# KiCad board delta48m.kicad_pcb (continued)
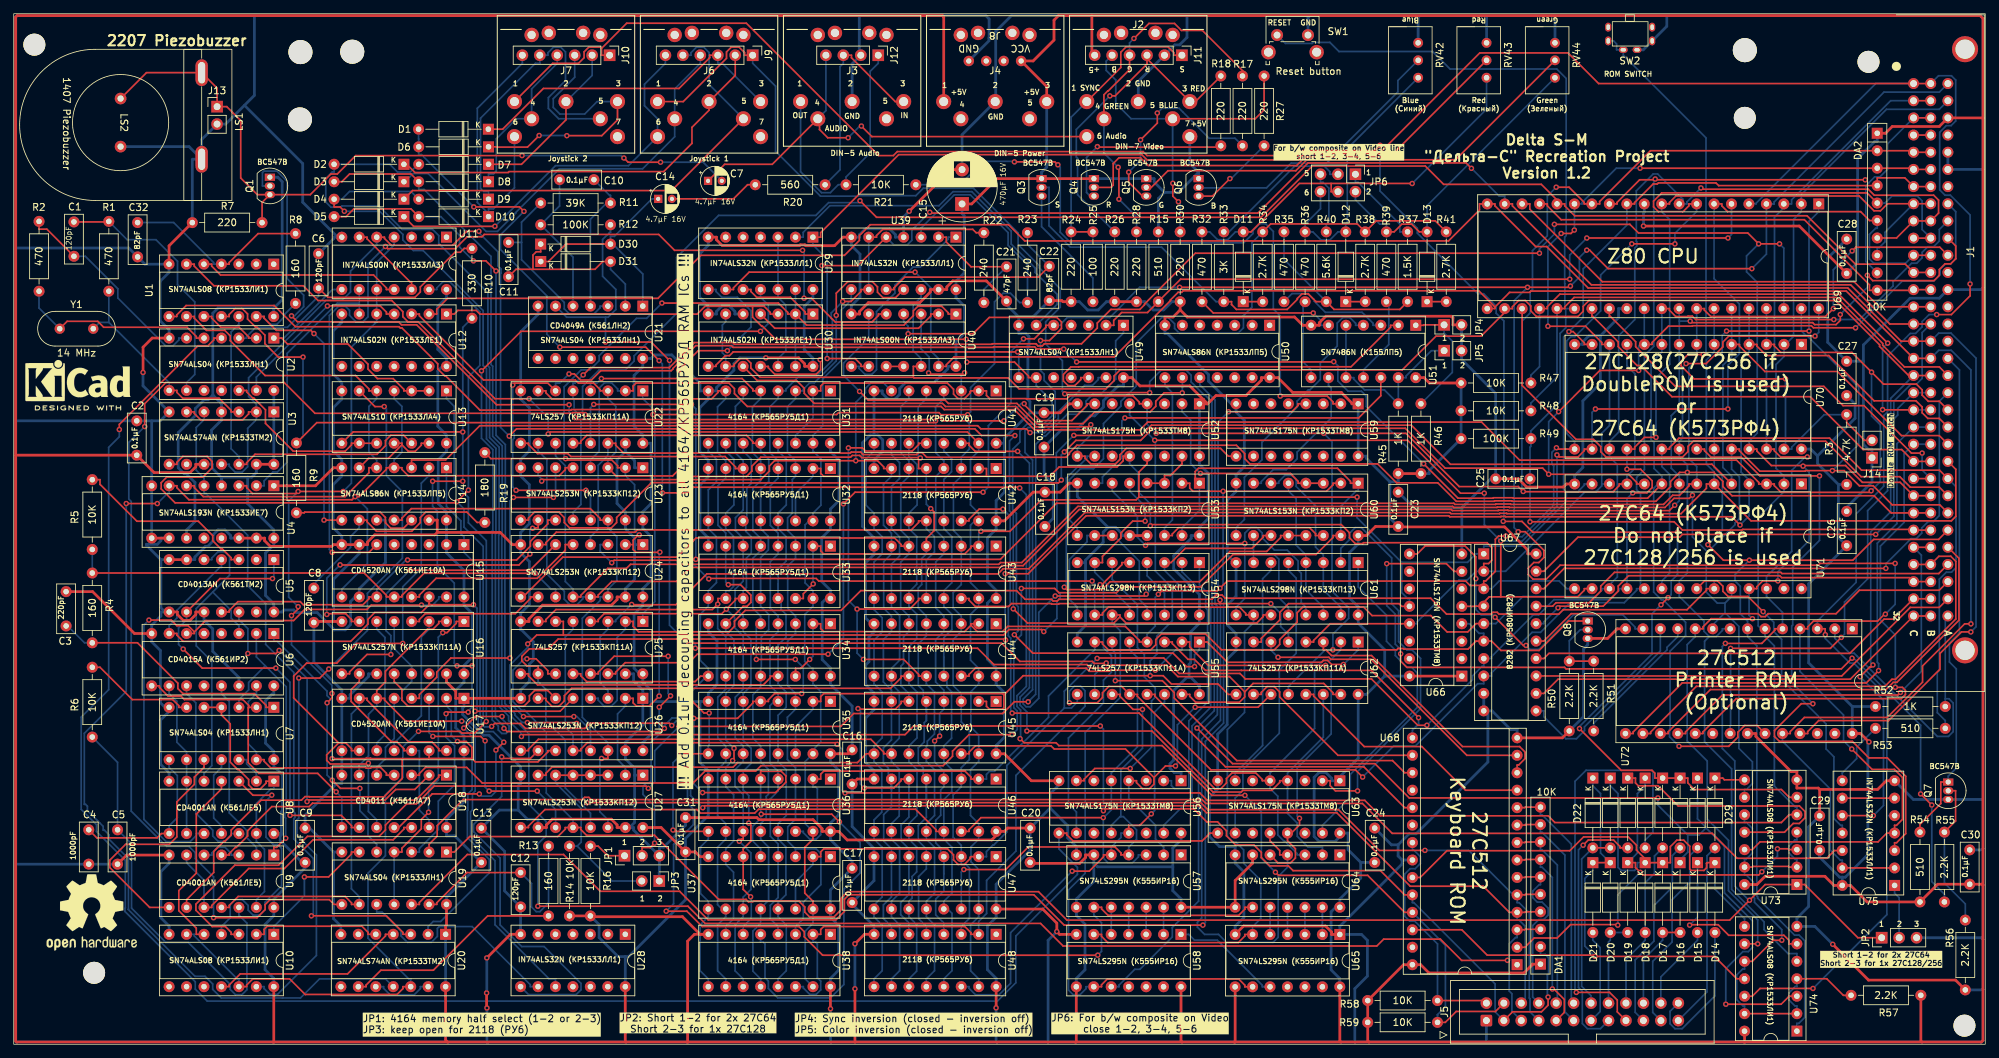
[diagram p0: board, top side]
## Routing (per net, layer and track width the routed paths; a pad name or vN(x,y) marks a point on that pad's centre or on a via; arc(x,y) is an arc through that point) (continued)
  Top w0.25: v1(224.8,63.53) 225.04,63.77 231.38,63.77 233.57,65.95 233.57,66.69 235.07,68.2 257.09,68.2 257.38,67.91 275.99,67.91 J1.30 J1.30
  Bottom w0.25: U67.16 222.74,61.23 222.74,61.47 v1(224.8,63.53)
B31_SNP: length 61
  Top w0.25: J1.31 J1.31 273.6,61.88 272.27,61.88 267.28,56.9 223.49,56.9 222.74,56.15 U67.14
B32_SNP: length 62.1
  Top w0.25: J1.32 J1.32 267.36,53.14 224.82,53.14 222.74,51.07 U67.12
BA0: length 210.8
  Top w0.25: v1(16.38,78.71) v1(20.9,78.71) ; U4.7 23.75,81.29 23.75,81.01 25.5,79.26 49.25,79.26 v1(49.7,79.71) 50.27,79.71 54.25,83.68 54.25,83.92 U14.4 56.5,83.92 56.5,83.68 57.43,82.75 79.41,82.75 80.29,83.63 80.29,83.92 U23.5
  Bottom w0.25: U14.4 55.37,85.04 56.51,86.18 56.51,92.84 55.38,93.98 U13.4 ; v1(20.9,78.71) 22.36,80.16 22.62,80.16 U4.7 ; U20.11 54.11,9.52 44.52,9.52 41.74,6.74 39.14,6.74 39.14,6.74 30.22,6.74 28.97,7.99 28.97,8.77 27.85,9.89 26.4,9.89 16.66,19.62 16.7,19.66 16.7,27.18 16.44,27.44 16.25,27.44 16.25,27.47 13.89,29.83 13.89,30.47 13.2,31.16 13.02,31.16 13.02,31.72 12.5,32.24 12.5,32.24 12.19,32.54 12.19,32.54 10.68,34.05 10.72,34.09 10.72,34.65 10.46,34.92 10.27,34.92 10.27,45.25 16.38,51.36 v1(16.38,78.71) ; U15.9 47.76,66.24 51.48,69.95 51.48,77.93 v1(49.7,79.71)
BA1: length 56.2
  Top w0.25: U15.11 51.72,65.11 51.72,64.85 50.84,63.98 42.15,63.98 41.71,64.43 32.64,64.43 31.37,63.15 31.37,62.92 U5.11 ; v1(57.33,70.49) 73.2,70.49 75.21,72.5 75.21,73.21 77.75,75.75 77.75,76.3 U23.11
  Bottom w0.25: v1(57.33,70.49) 57.1,70.49 52.84,66.24 U15.11
BA2: length 76.1
  Top w0.25: R4.1 51,68.59 54.26,65.34 54.26,65.11 U15.12 56.51,65.11 56.51,65.34 59.72,68.55 75.91,68.55 v1(75.91,68.55)
  Bottom w0.25: R4.1 R5.1 ; U24.11 78.88,66.24 78.23,66.24 v1(75.91,68.55)
BA3: length 27.3
  Top w0.25: U24.5 80.29,72.73 80.29,71.9 76.21,67.83 61.49,67.83 59.05,65.39 59.05,65.11 U15.13
BA4: length 93.6
  Top w0.25: v1(66.93,63.98) 60.64,63.98 60.46,64.15 ; U26.5 79.54,48.48 v1(67.16,48.48) ; 60.46,64.15 U15.14 ; 60.46,64.15 60.46,63.98 59.32,62.84 52.54,62.84 51.57,61.87 51.57,61.17 49.06,58.65 24.65,58.65 23.75,59.56 23.75,59.79 U6.7
  Bottom w0.25: U6.7 22.62,60.92 23.75,62.04 23.75,63.15 30.01,69.41 30.24,69.41 U5.4 ; v1(67.16,48.48) 67.43,48.76 67.43,63.47 v1(66.93,63.98)
BA5: length 112.7
  Top w0.25: 56.55,41.57 52,41.57 51.93,41.64 51.33,41.64 51.26,41.57 v1(46.34,41.57) ; 56.55,41.57 60.43,41.57 60.46,41.61 ; 56.55,41.57 56.55,38.67 53.88,36.01 43.04,36.01 43,36.05 42.4,36.05 41.88,35.53 36.01,35.53 31.65,31.17 31.65,30.47 30.73,29.54 30.6,29.54 29.11,28.06 29.11,25 25.16,21.05 U9.9 ; U26.11 77.75,42.73 77.75,42.54 76.3,41.1 67.2,41.1 66.7,41.61 ; U17.14 60.46,41.61 ; 60.46,41.61 66.7,41.61 ; 66.7,41.61 66.7,43.24 65.86,44.08 v1(64.59,44.08)
  Bottom w0.25: U17.2 63,49.23 63.69,48.54 63.69,44.97 v1(64.59,44.08) ; v1(46.34,41.57) 46.34,50.02 45.6,50.76 45.6,51.4 38.34,58.66 37.86,58.66 U6.1
BA6: length 34.6
  Top w0.25: v1(69.21,36.85) v1(76.2,36.85) ; v1(68.62,44.17) 67.98,44.81 v1(61.01,44.81)
  Bottom w0.25: U17.3 60.46,45.36 v1(61.01,44.81) ; v1(69.21,36.85) 68.62,37.44 v1(68.62,44.17) ; v1(76.2,36.85) 78.88,34.17 U27.11
BA7: length 51.3
  Top w0.25: v1(72.23,56.22) 63.63,56.22 61.59,54.17 61.59,53.44 59.05,50.9 59.05,50.35 U17.4 ; v1(72.75,79.59) v1(78.57,79.59)
  Bottom w0.25: v1(72.75,79.59) 72.23,79.08 v1(72.23,56.22) ; U23.6 78.88,79.9 v1(78.57,79.59)
BA8: length 47.6
  Top w0.25: U16.7 49.18,61.54 49.18,61.82 48.33,62.67 45.68,62.67 v1(45.58,62.56) ; v1(75.14,71.36) 73.54,69.76 47.53,69.76 v1(47.51,69.78) ; U23.10 76.34,75.17 75.59,75.17 v1(75.53,75.11)
  Bottom w0.25: v1(45.58,62.56) 45.58,67.85 v1(47.51,69.78) ; v1(75.14,71.36) 75.14,74.72 v1(75.53,75.11)
BA9: length 20.2
  Top w0.25: U16.4 59.05,61.54 59.05,61.82 59.89,62.67 73,62.67 75.21,64.87 75.21,65.11 U24.10
BA10: length 45.2
  Top w0.25: v1(57.66,69.01) 75.15,69.01 U24.6 ; U16.9 48.89,53.92 48.89,54.2 51.42,56.73 v1(54.9,56.73)
  Bottom w0.25: v1(54.9,56.73) 54.9,59.48 54.2,60.18 54.2,65.55 v1(57.66,69.01)
BA11: length 28.9
  Top w0.25: U16.12 55.38,52.79 56.51,51.67 56.51,50.09 57.4,49.21 74.28,49.21 75.07,50 75.07,50.73 75.82,51.49 77.74,51.49 U26.6
BA12: length 59.4
  Top w0.25: v1(71.03,41.83) 71.25,41.61 75.21,41.61 U26.10
  Bottom w0.25: v1(71.03,41.83) 71.03,36.08 66.95,31.99 66.95,30.95 70.81,27.09 70.81,17.37 73.95,14.22 77.21,14.22 82.57,8.86 82.57,7.93 81.88,7.23 74.94,7.23 U28.8
BCASL: length 214.8
  Top w0.25: U1.6 26.27,113.55 26.27,113.27 29.14,110.4 42.15,110.4 44.3,108.25 55.03,108.25 56.65,106.64 56.65,105.9 57.38,105.16 58.85,105.16 70.05,93.96 v1(75.03,93.96) ; v1(77.8,88.83) 78.09,89.12 138.83,89.12 U41.15
  Bottom w0.25: v1(77.8,88.83) 77.8,91.18 v1(75.03,93.96) ; U41.15 140.47,86.36 139.28,85.17 139.28,78.5 140.47,77.31 140.47,76.75 ; U48.15 140.47,9.51 139.29,10.69 139.29,17.38 140.47,18.56 U47.15 140.47,25.44 139.35,26.57 139.35,28.73 140.47,29.86 U46.15 140.47,32.11 139.28,33.3 139.28,39.97 140.47,41.16 U45.15 140.47,45.02 139.33,46.16 139.33,51.32 140.47,52.46 U44.15 140.47,54.71 139.28,55.9 139.28,62.57 140.47,63.76 U43.15 140.47,66.01 139.28,67.2 139.28,75.56 140.47,76.75 ; U42.15 140.47,76.75
BD0: length 122.5
  Top w0.25: U63.4 184.3,38.36 184.3,38.12 183.13,36.96 178.93,36.96 178.68,36.71 174.58,36.71 165.7,45.59 v1(147.49,45.59) ; U41.14 139.06,87.48 139.06,87.2 139.96,86.3 v1(146.14,86.3)
  Bottom w0.25: v1(146.14,86.3) 147.86,84.58 147.86,51.91 146.49,50.54 146.49,49.36 147.49,48.37 v1(147.49,45.59) ; U62.14 190.64,44.7 185.43,39.48 U63.4 185.43,33.61 186.84,32.19 186.84,30.27 188.42,28.69 190.51,28.69 190.51,27.56
BD1: length 120
  Top w0.25: U63.5 181.76,38.36 181.76,38.54 180.81,39.48 177.34,39.48 176.53,38.68 176.53,38.03 175.69,37.19 174.84,37.19 163.82,48.2 v1(145.35,48.2) ; v1(144,77.89) 140.53,77.89 139.06,76.42 139.06,76.18 U42.14
  Bottom w0.25: v1(144,77.89) 145.05,76.83 145.05,63.95 144.78,63.67 144.78,59.47 145.14,59.11 145.14,48.41 v1(145.35,48.2) ; U64.3 186.84,27.56 186.84,27.74 184.97,29.61 184.87,29.61 184.01,30.47 184.01,36.1 182.89,37.23 U63.5 182.89,39.48 189.37,45.97 189.37,54.59 190.66,55.88 191.63,55.88 193.18,57.42 U62.2
BD2: length 132.5
  Top w0.25: U63.12 182.89,29.61 184.3,28.2 184.3,27.56 U64.4 ; 175.6,64.14 v1(175.6,64.66) ; 175.6,64.14 v1(183,64.14) ; 175.6,64.14 152.16,64.14 152.09,64.07 151.12,64.07 151.05,64.14 145.24,64.14 144.83,63.73 139.98,63.73 139.06,64.65 139.06,64.88 U43.14
  Bottom w0.25: U62.5 185.56,59.68 184.43,60.8 184.43,62.71 v1(183,64.14) ; v1(175.6,64.66) 175.67,64.59 175.67,47.15 172.93,44.42 172.93,18.37 172.3,17.75 172.3,17.05 173.36,15.99 175.38,15.99 176.53,14.84 183.33,14.84 184.07,15.57 184.07,24.42 185.43,25.77 U64.4
BD3: length 94.9
  Top w0.25: 185.43,30.17 185.43,29.61 186.57,28.46 186.57,27.11 185.88,26.41 184.03,26.41 U64.5 ; 185.43,30.17 187.17,31.92 v1(187.17,32.89) ; 185.43,30.17 U63.13 ; U44.14 139.06,53.58 139.06,53.82 139.98,54.74 156.11,54.74 156.56,54.3 159.51,54.3 159.66,54.45 v1(166.18,54.45) ; U55.2 171.19,58.55 171.19,57.85 173.89,55.15 v1(190.96,55.15)
  Bottom w0.25: v1(166.18,54.45) 169.16,57.42 170.06,57.42 U55.2 ; v1(187.17,32.89) 186.83,33.23 186.83,40.22 191.78,45.17 191.78,54.32 v1(190.96,55.15)
BD4: length 74.4
  Top w0.25: U56.4 163.44,38.36 163.44,38.08 164.32,37.2 165.32,37.2 165.98,37.86 165.98,38.82 ; U45.14 139.06,42.28 139.06,42.52 139.97,43.43 151.01,43.43 151.46,42.98 161.83,42.98 165.98,38.82 ; v1(169.12,40.5) 167.66,40.5 165.98,38.82 ; 183.02,50.93 181.15,49.07 v1(171.98,49.07)
  Bottom w0.25: U57.2 167.39,28.69 166.21,29.87 166.21,31.9 162.32,35.79 U56.4 ; v1(169.12,40.5) 169.39,40.77 169.39,46.48 v1(171.98,49.07)
BD5: length 62.8
  Top w0.25: U46.14 139.06,30.98 139.06,31.24 140.8,32.98 v1(158.61,32.98)
  Bottom w0.25: U55.5 162.44,57.42 163.58,56.28 163.58,43.29 159.78,39.48 U56.5 159.78,34.11 158.65,32.98 v1(158.61,32.98) 158.61,27.1 159.32,26.39 162.83,26.39 163.72,27.28 163.72,27.56 U57.3
BD6: length 64.6
  Top w0.25: U57.4 161.18,27.56 161.18,27.84 160.31,28.72 147.69,28.72 144.4,25.44 v1(138.31,25.44) ; U55.11 161.03,50.93 161.03,50.65 162.93,48.75 v1(164.32,48.75)
  Bottom w0.25: U57.4 162.31,28.69 163.44,29.82 163.44,31.22 161.53,33.13 161.17,33.13 ; 161.17,33.13 161.17,39.93 164.32,43.08 v1(164.32,48.75) ; 161.17,33.13 161.05,33.13 159.78,31.86 U56.12 ; U47.14 137.93,25.06 v1(138.31,25.44)
BD7: length 63.6
  Top w0.25: v1(154.08,25.2) 156.57,25.2 158.64,27.28 158.64,27.56 U57.5 ; U56.13 162.32,31.86 163.93,31.86 v1(165.6,33.53)
  Bottom w0.25: U56.13 161.19,30.74 161.19,30.11 159.77,28.69 U57.5 ; v1(165.6,33.53) 166.08,34.02 166.08,48.36 167.52,49.8 U55.14 ; v1(154.08,25.2) 145.12,16.24 145.12,8.88 143.44,7.2 140.01,7.2 139.06,8.15 139.06,8.39 U48.14
BLUE: length 52.3
  Top w0.25: 178.91,140.91 178.91,141.69 173.03,147.57 169.99,147.57 168.97,148.59 165.26,148.59 v1(163.07,146.4) ; J11.4 162.43,141.88 159.32,138.77 159.26,138.77 158.7,138.21 J2.4 ; v1(160.89,123.01) 160.89,127.54 v1(160.77,127.66)
  Bottom w0.25: J2.4 158.7,129.72 v1(160.77,127.66) ; J11.4 162.43,145.76 v1(163.07,146.4) ; R28.1 163.45,120.44 v1(160.89,123.01)
BMX: length 83.9
  Top w0.25: U23.14 85.37,76.3 85.37,76.53 83.94,77.96 57.88,77.96 56.5,76.58 56.5,76.3 U14.11 ; U26.14 86.5,41.61 v1(85.57,41.61)
  Bottom w0.25: v1(85.57,41.61) 85.33,41.37 85.33,33.84 86.5,32.67 U27.14 ; U26.14 86.5,43.86 82.77,47.59 82.77,62 85.37,64.6 85.37,65.11 U24.14 86.5,66.24 87.79,67.53 87.79,73.88 86.5,75.17 U23.14
BRASL: length 212.5
  Top w0.25: v1(134.05,44.15) 134.77,44.86 v1(134.78,44.86) ; R9.1 44.11,90.48 133.93,90.48 v1(134.2,90.75) ; 30.23,105.93 31.35,105.93 31.35,106.21 32.22,107.08 33.26,107.08 34.04,106.3 34.04,105.56 35.23,104.37 35.41,104.37 36.56,103.22 36.56,101.97 38.51,100.03 v1(42.11,100.03)
  Bottom w0.25: v1(134.05,44.15) 134.05,41.09 135.39,39.75 U46.4 135.39,37.48 134.94,37.03 134.94,33.33 134.21,32.61 134.21,29.31 134.94,28.58 134.94,27.44 135.39,26.99 135.39,24.81 ; 135.39,24.81 U47.4 ; 135.39,24.81 135.39,22.31 134.21,21.13 134.21,18.84 135.39,17.66 U48.4 ; U41.4 135.39,93.98 134.2,92.79 v1(134.2,90.75) 134.2,86.12 135.39,84.93 U42.4 134.22,82.63 134.22,74.82 135.39,73.65 U43.4 135.39,71.38 134.21,70.2 134.21,63.51 135.39,62.33 U44.4 135.39,60.08 134.2,58.89 134.2,52.74 135.39,51.55 U45.4 135.39,48.78 134.78,48.17 v1(134.78,44.86) ; R9.1 42.11,88.48 v1(42.11,100.03)
BUSY: length 43.7
  Bottom w0.25: R52.2 281.18,50.29 ; 281.18,50.29 281.18,61.96 J1.64 ; 281.18,50.29 281.71,50.29 282.33,49.67 282.33,45.5 281.64,44.81 280.02,44.81 268.34,56.5 268.34,56.5 267.91,56.92 267.27,56.92 265.1,59.09 U72.2
BWEL: length 103.7
  Top w0.25: v1(138.42,97.75) 138.21,97.54 133.35,97.54 v1(133.18,97.72)
  Bottom w0.25: v1(138.42,97.75) 137.93,97.27 U41.3 137.93,91.54 139.11,90.36 139.11,86.64 137.93,85.46 U42.3 137.93,82.68 136.8,81.54 136.8,74.78 137.93,73.65 U43.3 137.93,66.91 136.75,65.73 136.75,63.51 137.93,62.33 U44.3 137.93,60.08 136.74,58.89 136.74,52.22 137.93,51.03 U45.3 137.93,46.92 139.11,45.74 139.11,41.44 137.93,40.26 U46.3 137.93,37.48 136.75,36.29 136.75,30.14 137.93,28.96 U47.3 137.93,26.18 138.6,26.18 139.12,25.65 139.12,18.32 137.93,17.13 U48.3 ; U40.3 132.09,101.21 133.27,100.02 133.27,97.8 v1(133.18,97.72)
CASL: length 111.2
  Top w0.25: U36.15 116.35,29.86 115.16,28.67 115.16,22 116.35,20.81 U37.15
  Bottom w0.25: U36.15 115.22,32.11 115.22,41.16 U35.15 116.35,42.85 117.48,43.98 117.48,51.33 116.35,52.46 U34.15 116.35,54.71 116.15,54.71 115.15,55.72 115.15,62.56 116.35,63.76 U33.15 116.35,66.01 115.19,67.16 115.19,75.59 116.35,76.75 ; U37.15 116.35,17.6 115.22,16.47 115.22,9.51 U38.15 ; 116.35,76.75 116.35,77.31 117.5,78.47 117.5,85.2 116.35,86.36 U31.15 116.35,88.61 117.75,90.02 117.75,96.84 120.46,99.55 120.46,106.86 121.93,108.32 U39.8 ; 116.35,76.75 U32.15
CCML: length 80.5
  Top w0.25: 47.29,43.86 40.76,50.4 40.76,53.59 42.64,55.47 47.02,55.47 49.89,58.34 v1(56.63,58.34) ; 47.29,43.86 45.56,42.12 45.56,41.33 46.09,40.8 51.51,40.8 v1(51.63,40.91) ; 47.29,43.86 48.33,43.86 49.18,43.02 49.18,42.73 U17.10
  Bottom w0.25: 52.84,31.55 52.84,32.67 51.63,33.88 v1(51.63,40.91) ; v1(56.63,58.34) 56.63,66.59 59.33,69.29 59.33,81.66 60.45,82.79 U14.2
CHTRGL: length 173.9
  Top w0.25: v1(96.82,98.13) 99.64,100.95 v1(103.88,100.95) ; 179.2,51.3 176.98,53.52 169.47,53.52 167.81,55.18 159.75,55.18 159.33,54.76 156.73,54.76 156.22,55.27 142.68,55.27 140.31,57.65 v1(99.22,57.65) ; 179.2,51.3 179.2,50.56 178.43,49.79 172.04,49.79 171.19,50.65 171.19,50.93 U55.15 ; 179.2,51.3 180.42,52.52 190.7,52.52 192.05,51.16 192.05,50.93 U62.15
  Bottom w0.25: U29.8 102.22,109.86 102.22,109.58 103.07,108.73 105.34,108.73 107.32,106.75 107.32,104.39 v1(103.88,100.95) ; v1(99.22,57.65) 99.22,58.29 96.59,60.92 96.59,97.9 v1(96.82,98.13)
Contact1: length 313.1
  Top w0.25: J9.1 106.39,143.96 106.39,144.33 105.58,145.15 104.46,145.15 103.76,144.44 103.76,143.51 97.46,137.21 J6.1 ; 259.58,6.99 258.45,6.99 257.29,5.83 v1(249.23,5.83) ; v1(152.99,94.67) 153.16,94.84 v1(165.36,94.84) ; v1(239.35,35.85) 203.14,35.85 198.16,40.84 177.43,40.84 v1(172.24,46.02)
  Bottom w0.25: 246.35,31.48 245.33,30.46 243.7,30.46 ; 246.35,31.48 249.03,28.8 249.03,22.04 253.11,17.96 253.11,14.1 252.5,13.48 251.71,13.48 249.23,11 v1(249.23,5.83) ; 246.35,31.48 246.35,31.57 245.11,32.81 D28.1 ; 243.7,30.46 243.7,27.97 242.57,26.84 D19.1 ; 243.7,30.46 239.35,34.81 v1(239.35,35.85) ; v1(152.99,94.67) 152.65,95.01 152.65,99.5 150.22,101.94 150.22,105.15 152.34,107.27 152.34,109.98 149.3,113.01 149.3,113.31 146.21,116.4 146.21,118.1 139.71,124.6 132.41,124.6 131.31,123.51 122.89,123.51 122.83,123.45 117.44,123.45 110.9,129.98 110.9,139.45 107.57,142.78 J9.1 ; v1(172.24,46.02) 174.76,48.54 174.76,63.56 174.42,63.9 174.42,65.7 174.42,65.7 174.42,93.51 173.46,94.46 173.34,94.46 171.39,96.41 171.39,97.39 170.62,98.16 167.07,98.16 165.36,96.45 v1(165.36,94.84)
Contact2: length 302.5
  Top w0.25: v1(216.83,76.11) 219.56,76.11 221.13,74.53 v1(242.2,74.53) ; 85.56,144.95 85.56,143.96 J10.1 ; 85.56,144.95 89.23,148.62 106.64,148.62 125.91,129.36 128.05,129.36 128.62,129.93 164.41,129.93 164.98,129.36 186.94,129.36 187.67,130.09 198.12,130.09 v1(198.89,130.86) ; 85.56,144.95 85.37,145.15 83.72,145.15 83.02,144.45 83.02,143.59 82.22,142.78 78.46,142.78 J7.1 ; v1(239.79,63.97) v1(240.83,65.01) ; v1(227.93,45.95) 234,39.87 238.48,39.87 238.9,39.45 238.9,38.75 D26.1 D27.1 243.7,38.75 243.7,38.04 244.66,37.08 257.32,37.08 258.45,35.95 U73.6
  Bottom w0.25: v1(240.83,65.01) 241.27,65.45 241.27,67.44 242.2,68.36 v1(242.2,74.53) ; v1(216.83,76.11) 216.92,76.21 216.92,105.28 215.8,106.4 215.8,107.43 213.99,109.24 213.15,109.24 204.32,118.07 204.32,118.77 198.89,124.2 v1(198.89,130.86) ; v1(239.79,63.97) 238.48,62.66 238.48,56.8 227.93,46.25 v1(227.93,45.95)
CT4: length 29.4
  Top w0.25: U17.13 56.8,42.73 56.8,43.02 55.76,44.05 54.96,44.05 49.11,49.9 49.11,51.6 50.3,52.79 U16.10
  Bottom w0.25: U17.13 59.05,42.73 59.05,34.08 60.46,32.67 60.46,31.55
CT9: length 88.3
  Top w0.25: U16.2 61.88,61.54 61.88,61.26 61.03,60.41 60.23,60.41 54.11,54.3 54.11,52.75 52.84,51.48 U17.6 53.97,50.35 53.97,50.12 57.06,47.03 v1(65.2,47.03)
  Bottom w0.25: U17.6 52.84,49.23 51.65,48.03 51.65,41.96 50.3,40.61 U18.6 ; U28.10 78.86,9.51 77.94,9.51 70.06,17.4 70.06,26.72 66.49,30.28 66.49,33.83 66.78,34.11 66.78,36.46 67.17,36.86 67.17,45.44 65.58,47.03 v1(65.2,47.03)
D0: length 354.9
  Top w0.25: J1.5 J1.5 276.34,130.06 DA2.2 238.26,130.06 230.86,122.67 230.86,122.32 U69.14 228.61,122.32 228.61,122.55 226.41,124.75 v1(224.54,124.75) ; U52.4 163.86,93.22 163.86,93.45 162.92,94.39 153.74,94.39 153.29,93.94 147.42,93.94 147.39,93.98 142.08,93.98 141.6,94.45 141.6,95.1 U41.2 139.35,95.1 139.25,95 139.25,94.82 138.4,93.98 137.47,93.98 136.81,94.64 136.81,95.35 135.91,96.24 117.91,96.24 117.47,95.81 117.47,95.1 U31.2 ; Q8.1 226.34,61.61 222.05,57.32 216.49,57.32 215.12,58.69 U67.6 212.87,58.69 211.71,57.53 202.35,57.53 202.28,57.61 201.52,57.61 201.32,57.41 v1(192.03,57.41) ; U71.11 233.71,81.55 233.71,81.32 232.82,80.42 219.78,80.42 v1(219.73,80.47) 219.02,81.18 210.41,81.18 202.67,88.92 v1(190.7,88.92) v1(166.31,88.92)
  Bottom w0.25: U71.11 234.84,82.68 234.84,82.68 235.98,83.82 235.98,97.61 234.84,98.76 U70.11 ; U62.12 185.56,52.06 190.91,57.41 v1(192.03,57.41) 192.03,59.7 194.33,62 194.33,63.54 191.91,65.96 191.91,87.71 v1(190.7,88.92) ; v1(219.73,80.47) 219.55,80.66 219.55,105.25 220.75,106.45 220.75,109.53 221.09,109.87 221.09,115.52 223.24,117.68 223.24,123.46 v1(224.54,124.75) ; U31.2 116.35,91.15 113.81,88.61 113.81,87.48 ; U66.4 211.93,61.21 213.32,59.81 214,59.81 U67.6 ; U52.4 164.98,90.25 v1(166.31,88.92)
D1: length 286.6
  Top w0.25: v1(223.33,104.51) 228.81,104.51 231.17,102.15 231.17,101.87 U70.12 ; U42.2 141.6,83.8 141.6,82.68 ; 141.6,82.68 117.9,82.68 117.47,83.1 117.47,83.8 U32.2 ; 141.6,82.68 150.83,82.68 152.18,84.02 160.59,84.02 161.5,84.93 161.5,85.6 U52.12 ; v1(165.45,75.46) 165.64,75.64 193.25,75.64 194.45,74.44 194.45,73.72 195.3,72.86 196.35,72.86 196.49,73 214.47,73 215.17,72.3 215.17,70.45 214.7,69.97 214,69.97 U67.2 ; J1.6 J1.6 276.38,127.52 DA2.3 v1(236.75,127.52) ; v1(227.18,118.51) 226.68,118.01 v1(225.26,118.01) ; U66.13 191.65,61.21 189.22,58.78 189.22,58.55 U62.4
  Bottom w0.25: v1(165.45,75.46) 165.45,78.66 163.71,80.4 163.71,83.2 162.44,84.47 U52.12 ; 231.17,81.55 231.17,81.27 230.33,80.43 228.75,80.43 217.17,68.85 U67.2 212.87,68.85 211.58,67.56 210.38,67.56 204.31,61.49 204.31,61.21 U66.13 ; 231.17,81.55 231.17,88.94 232.3,90.07 U70.12 ; 231.17,81.55 U71.12 ; v1(223.33,104.51) 223.33,116.08 v1(225.26,118.01) ; v1(236.75,127.52) 233.29,127.52 228.32,122.55 228.32,122.32 U69.15 227.2,118.53 v1(227.18,118.51) ; U32.2 116.35,82.68 113.81,80.14 113.81,76.18
D2: length 277.5
  Top w0.25: U62.7 181.6,58.55 181.6,59.08 184.31,61.78 184.31,62.87 185.57,64.13 201.67,64.13 202.05,63.75 U66.12 ; v1(116.38,67.01) 114.93,65.56 114.93,64.88 113.81,64.88 ; 163.79,79.64 163.79,83.28 164.98,84.47 U52.13 ; 163.79,79.64 163.39,79.24 149.58,79.24 145.01,74.67 v1(140.79,74.67) ; 163.79,79.64 v1(195.55,79.64) ; J1.7 J1.7 275.29,126.11 271.27,126.11 DA2.4 248.19,124.98 247.8,125.37 239.41,125.37 239.25,125.22 238.65,125.22 235.94,122.51 235.94,122.32 U69.12 ; U70.13 228.63,101.87 228.63,102.11 227,103.73 v1(226.4,103.73) ; U43.2 139.35,72.5 139.35,72.27 138.45,71.37 117.9,71.37 117.47,71.8 117.47,72.5 U33.2
  Bottom w0.25: U66.12 203.18,64.87 202.93,64.87 202.04,65.76 202.04,70.15 ; 226.01,80.38 226.01,79.03 219.5,72.51 214,72.51 U67.1 212.87,71.39 211.63,70.15 202.04,70.15 ; 226.01,80.38 225.62,80.77 225.62,102.96 v1(226.4,103.73) 228.47,105.81 228.47,112.87 234.82,119.22 U69.12 ; 226.01,80.38 227.64,80.38 228.63,81.37 228.63,81.55 U71.13 ; U43.2 140.47,74.34 v1(140.79,74.67) ; v1(195.55,79.64) 195.55,76.63 202.04,70.15 ; v1(116.38,67.01) 116.35,67.04 U33.2
D3: length 306.2
  Top w0.25: DA2.5 269.79,123.92 239.9,123.92 238.71,122.73 238.71,121.9 239.41,121.19 243.01,121.19 243.85,122.04 243.85,122.32 U69.8 ; v1(241.83,116.5) v1(235.55,116.5) ; U59.4 186.97,93.22 186.97,92.99 186.05,92.07 v1(176.84,92.07) ; U44.2 139.35,61.2 139.35,60.99 ; v1(224.57,86.83) 224.77,86.63 U70.15 ; 214,66.79 211.99,66.79 211.36,67.42 176.64,67.42 v1(175.6,66.37) 175.22,66 167.12,66 v1(166.63,65.5) ; 214,66.79 214,66.31 ; 214,66.79 214,67.43 214.28,67.43 215.68,68.84 215.68,73.51 216.14,73.97 v1(217.21,73.97) ; U34.2 117.47,61.2 117.47,60.5 117.91,60.06 138.42,60.06 139.35,60.99 ; 113.81,53.58 113.81,54.71 114.57,54.71 v1(115.87,56.02) ; U55.4 163.86,58.55 163.86,58.78 161.82,60.82 144.7,60.82 143.95,60.08 140.26,60.08 139.35,60.99 ; J1.10 J1.10
  Bottom w0.25: U69.8 244.98,121.19 241.83,118.04 v1(241.83,116.5) ; v1(217.21,73.97) 217.31,73.88 219.58,73.88 224.18,78.47 224.18,84.21 223.91,84.48 223.91,86.16 v1(224.57,86.83) ; v1(175.6,66.37) 175.32,66.65 175.32,90.56 v1(176.84,92.07) ; v1(235.55,116.5) 231.01,111.97 231.01,106.75 227.26,103 226.69,103 226.07,102.38 226.07,88.91 227.22,87.76 U70.15 ; v1(115.87,56.02) 116.35,56.49 U34.2 ; U71.15 226.09,66.31 224.96,67.44 216.25,67.44 215.12,66.31 214,66.31 ; J1.10 277.81,118.59 277.81,122.76 277.08,123.49 273.44,123.49 272.4,122.44 DA2.5 ; v1(166.63,65.5) 166.17,65.05 166.17,60.87 164.98,59.68 U55.4
D4: length 333.2
  Top w0.25: v1(224.66,85.78) 224.95,85.49 227.72,85.49 228.63,86.4 228.63,86.63 U70.16 ; v1(166.09,87.92) 202.91,87.92 210.61,80.22 v1(214.07,80.22) ; U69.7 248.64,122.32 248.64,122.04 249.49,121.19 268.85,121.19 270.15,119.9 DA2.6 ; 213.43,63.77 214.79,65.12 216.47,65.12 ; 213.43,63.77 U67.4 ; 213.43,63.77 212.87,63.77 212.85,63.75 U66.5 ; v1(249.53,92.47) v1(230.26,92.47) ; U71.16 228.63,66.31 228.63,66.08 227.68,65.12 216.47,65.12 ; 216.47,65.12 v1(216.47,73.24) ; 144.14,50.84 143.95,51.03 117.9,51.03 117.47,50.61 117.47,49.9 U35.2 ; 144.14,50.84 144.14,48.97 143.95,48.78 142.02,48.78 141.6,49.2 141.6,49.9 U45.2 ; 144.14,50.84 146.94,53.64 v1(165.44,53.64) 167.32,53.64 168.53,52.44 175.3,52.44 176.81,50.93 U62.9 ; J1.11 J1.11
  Bottom w0.25: v1(165.44,53.64) 165.44,55.82 166.4,56.78 166.4,59.38 168.66,61.64 168.66,66.41 166.18,68.89 166.18,87.83 v1(166.09,87.92) 162.44,91.57 U52.5 ; U69.7 247.52,111.44 251.2,107.75 251.2,100.51 249.53,98.84 v1(249.53,92.47) ; J1.11 275.41,113.69 270.76,113.69 270.14,114.31 270.14,117.87 271.04,118.77 271.27,118.77 DA2.6 ; U35.2 116.35,48.78 113.81,46.24 113.81,42.28 ; v1(230.26,92.47) 229.76,91.97 U70.16 ; v1(214.07,80.22) 214.07,75.65 v1(216.47,73.24) 219.59,73.24 224.66,78.31 v1(224.66,85.78)
D5: length 275.7
  Top w0.25: U36.2 117.47,38.6 117.47,39.32 117.91,39.75 138.48,39.75 139.35,38.89 139.35,38.6 U46.2 ; v1(245.61,124.65) 245.79,124.46 269.96,124.46 270.84,123.59 279.48,123.59 280.21,122.86 280.21,120.99 J1.9 J1.9 274.08,117.36 DA2.7 ; U67.5 212.87,61.23 211.66,60.02 208.66,60.02 206.28,62.39 197.74,62.39 196.5,63.63 187.65,63.63 186.83,62.81 186.83,61.45 184.29,58.91 184.29,58.2 183.51,57.42 175.81,57.42 173.51,59.72 167.06,59.72 166.25,58.91 166.25,58.15 165.49,57.39 159.37,57.39 158.49,58.27 158.49,58.55 U55.7
  Bottom w0.25: 243,122.32 243.56,122.32 243.56,122.6 v1(245.61,124.65) ; 243,122.32 243,122.99 239.31,126.68 238.66,126.68 236.2,124.22 236.2,116.88 236.27,116.81 236.27,116.2 235.98,115.91 235.98,105.48 233.64,103.14 233.64,89.1 232.3,87.76 U70.17 232.3,85.51 233.44,84.36 233.44,68.02 231.73,66.31 ; 243,122.32 U69.9 ; 231.73,66.31 231.17,66.31 231.17,66.08 230.26,65.17 219.69,65.17 215.75,61.23 U67.5 ; 231.73,66.31 U71.17 ; U46.2 141.6,38.6 141.6,39.28 142.05,39.73 142.77,39.73 150.64,47.6 150.64,50.7 157.36,57.42 U55.7 ; 113.81,30.98 114.93,30.98 114.93,30.8 115.88,29.86 116.81,29.86 117.47,30.52 117.47,31.79 116.98,32.28 116.98,37.21 116.72,37.48 116.35,37.48 U36.2
D6: length 283.5
  Top w0.25: v1(157.71,56.17) 157.76,56.22 167.41,56.22 169.66,53.97 178.51,53.97 179.3,53.17 197.65,53.17 204.39,46.44 v1(205.72,46.44) ; v1(234.84,83.7) 236.83,83.7 238.5,82.02 238.5,81.02 237.74,80.26 v1(235.68,80.26) ; v1(239.07,88.33) 237.38,88.33 235.96,86.91 235.96,86.63 U70.18 ; U47.2 139.35,27.3 139.25,27.21 139.25,27.03 138.4,26.18 137.47,26.18 136.81,26.84 136.81,27.57 135.94,28.44 117.91,28.44 117.47,28.01 117.47,27.3 U37.2 ; J1.8 J1.8 272.76,122.34 271.74,121.31 270.81,121.31 268.65,123.47 241.97,123.47 241.02,122.53 241.02,122.32 U69.10
  Bottom w0.25: J1.8 272.4,118.18 272.4,116.79 271.55,115.95 271.27,115.95 DA2.8 ; U69.10 239.9,121.19 241.07,120.02 241.07,98.99 239.07,96.99 v1(239.07,88.33) ; 113.81,19.68 113.81,23.64 116.35,26.18 U37.2 ; 152.93,48.94 152.93,51.39 v1(157.71,56.17) ; 152.93,48.94 153.96,48.94 154.82,49.8 U55.9 ; 152.93,48.94 144.56,40.57 144.56,30.89 142.65,28.99 142.53,28.99 141.6,28.06 141.6,27.3 U47.2 ; v1(234.84,83.7) 234.84,83.7 U70.18 ; v1(235.68,80.26) 234.84,79.41 U71.18 233.71,66.31 233.71,66.08 232.35,64.72 224.21,64.72 221.99,62.5 221.19,62.5 215.12,56.43 215.12,56.15 U67.7 214,55.02 213.76,55.02 212.35,53.61 212.35,53.06 v1(205.72,46.44)
D7: length 318.1
  Top w0.25: v1(269.53,125.83) 238.95,125.83 ; 238.95,125.83 236.68,125.83 233.4,122.55 233.4,122.32 U69.13 ; 238.95,125.83 v1(238.95,125.94) ; v1(153.67,49.7) 157.73,49.7 158.49,50.46 158.49,51.16 159.41,52.09 161.29,52.09 U55.12 163.57,50.93 163.57,50.65 174.28,39.94 195.32,39.94 v1(196.36,38.89) ; J1.3 J1.3 ; U48.2 139.35,16 139.35,16.24 138.45,17.13 117.9,17.13 117.47,16.71 117.47,16 U38.2
  Bottom w0.25: v1(238.95,125.94) 238.74,125.73 238.74,101.6 237.38,100.24 U70.19 237.38,83.64 236.24,82.5 236.24,80.72 236.81,80.15 236.81,66.31 ; J1.3 272.77,131.05 272.77,127.36 271.66,126.25 270.9,126.25 270,125.35 ; v1(153.67,49.7) 153.67,51.39 154.4,52.12 155.29,52.12 155.95,51.46 155.95,49.19 145.89,39.13 145.89,28.12 141.62,23.86 141.62,19.04 140.47,17.88 U48.2 ; 270,125.35 269.61,124.96 269.61,113.94 DA2.9 ; 270,125.35 v1(269.53,125.83) ; 236.81,66.31 236.25,66.31 236.25,66.08 234.44,64.26 226.57,64.26 222.26,59.96 221.03,59.96 215.12,54.05 215.12,53.61 U67.8 214,52.48 213.1,52.48 204.02,43.4 200.87,43.4 v1(196.36,38.89) ; 236.81,66.31 U71.19 ; U38.2 116.35,14.88 116.72,14.88 116.98,14.61 116.98,9.68 117.47,9.19 117.47,7.92 116.81,7.26 115.88,7.26 114.93,8.2 114.93,8.39 113.81,8.39
